# Altium PCB 2017_IHM.PcbDoc (part 1 of 2) (continued)
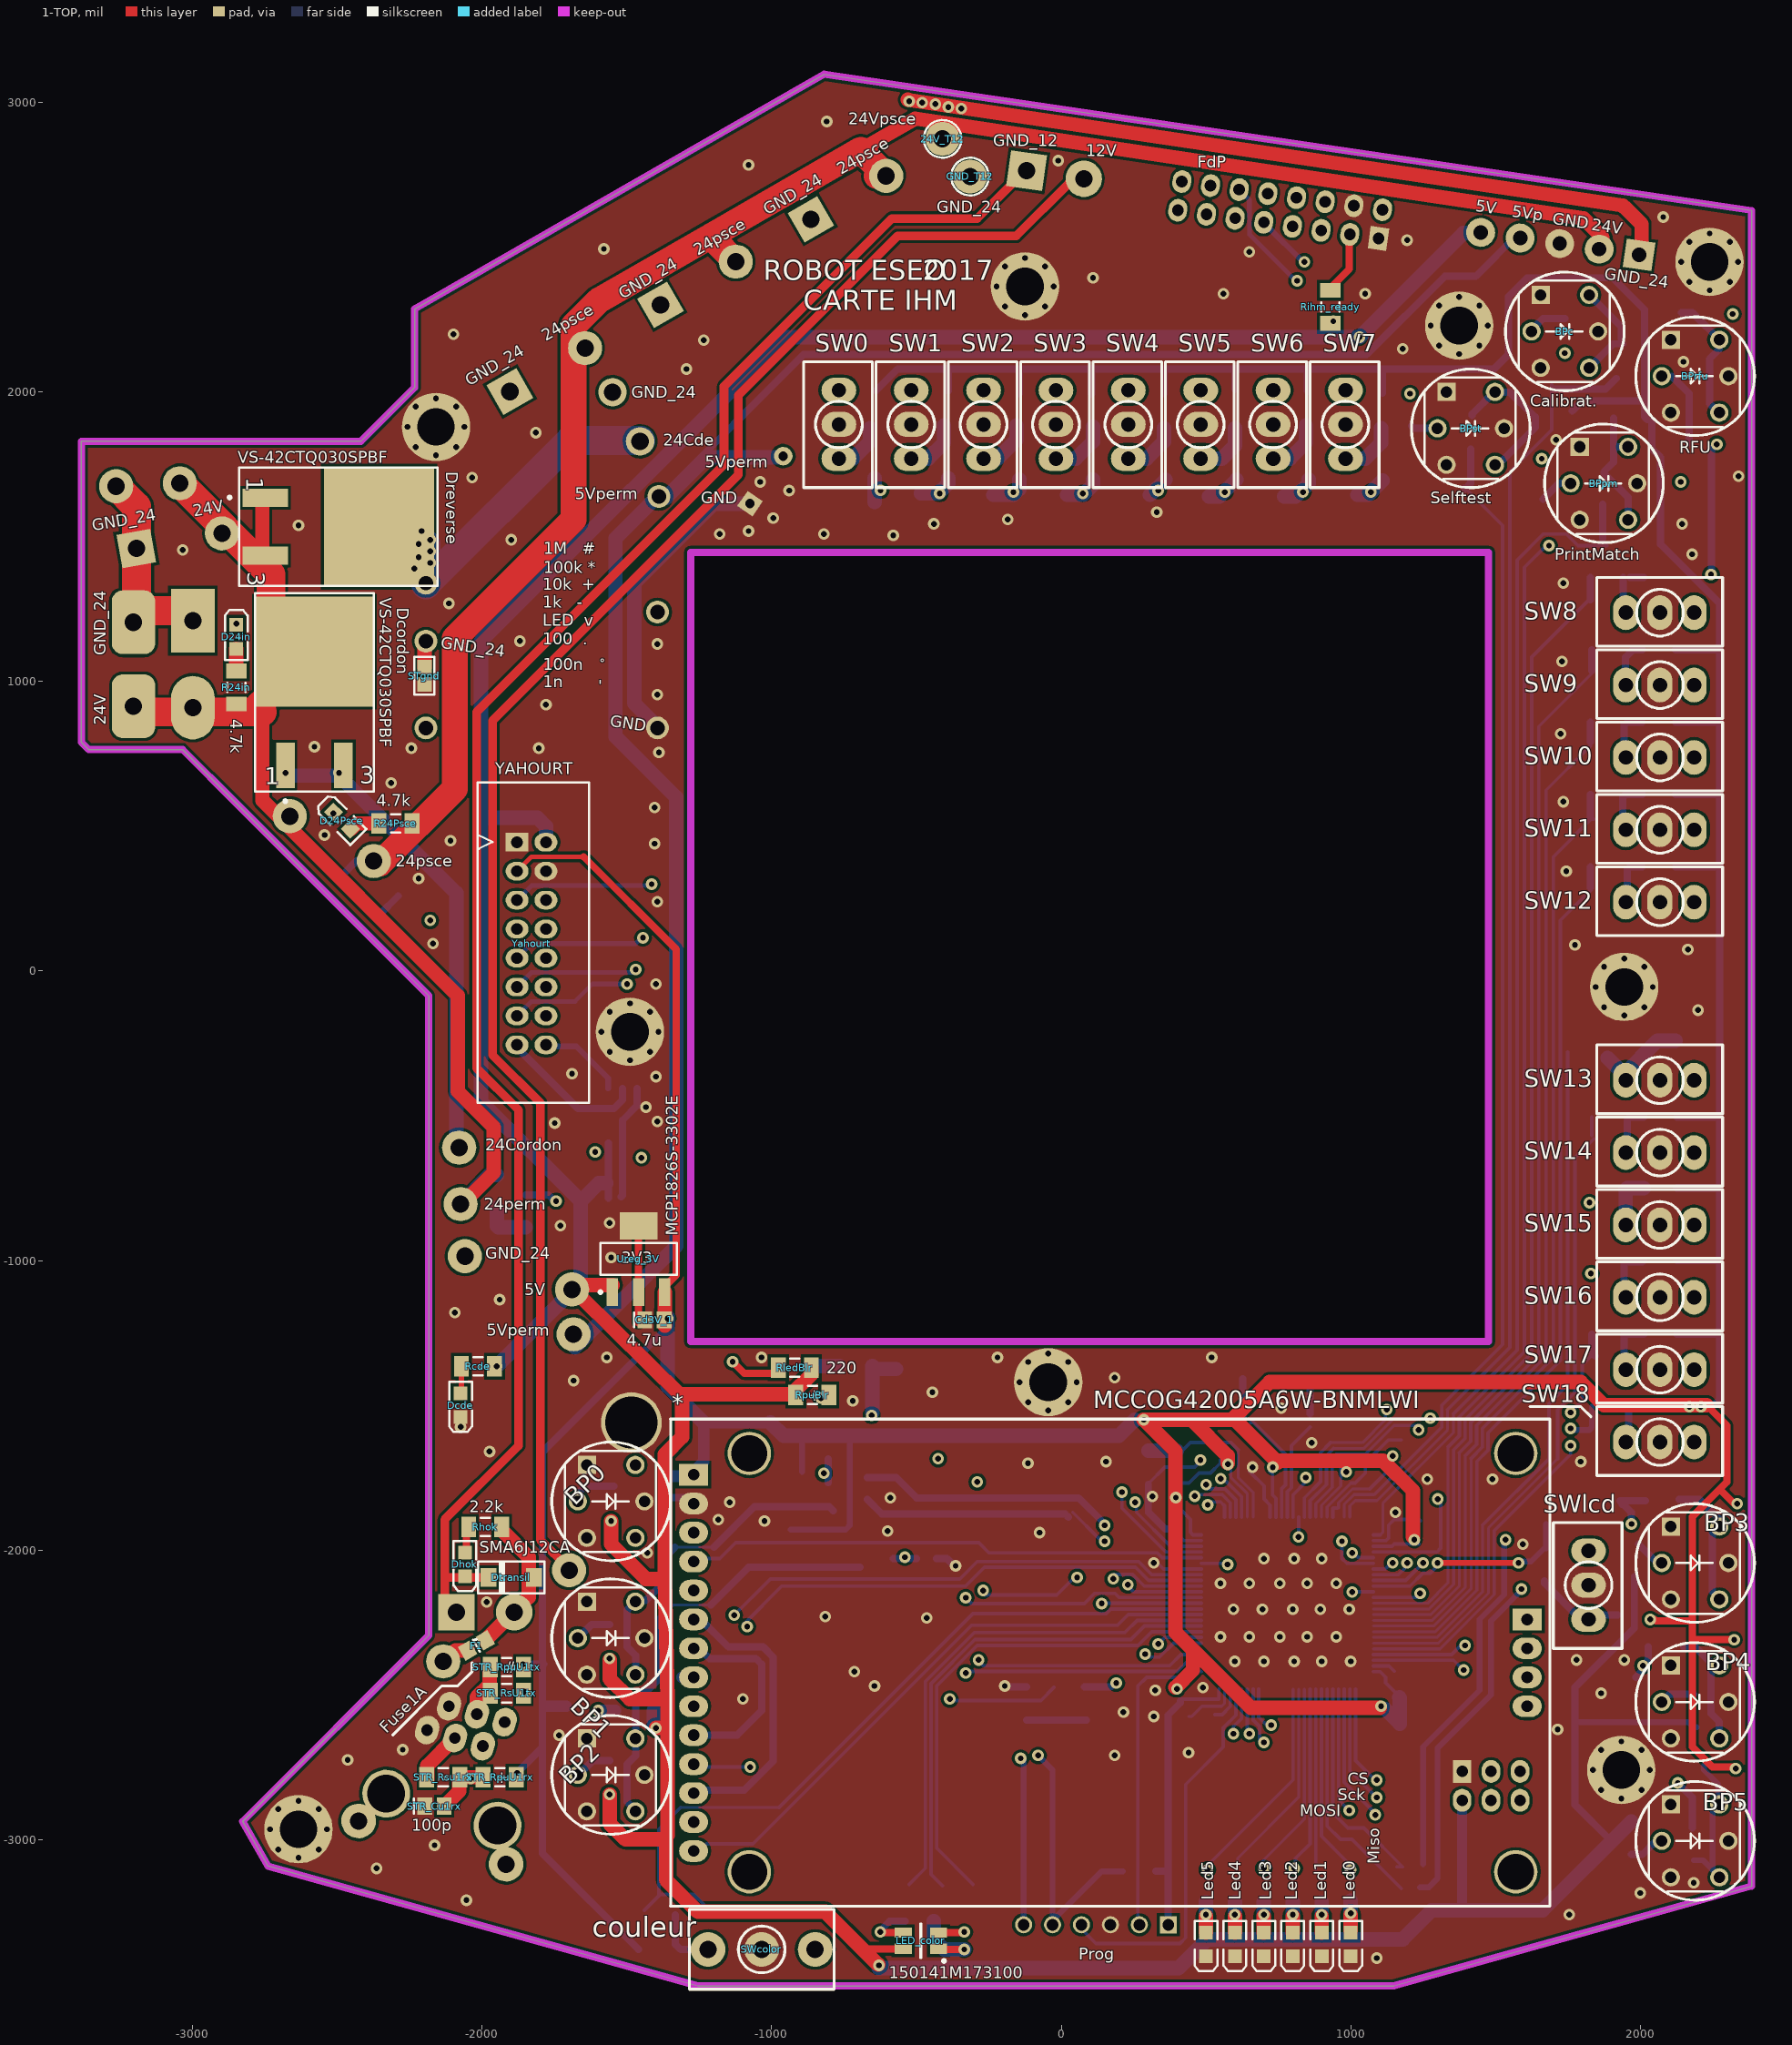
[diagram p0: 1-TOP view]
## Footprints (in the part's own frame and the unit in brackets; to place one, negate y for a bottom-side part, rotate by r counter-clockwise, add the part's x,y. Pads: shape width x height; smd on the part's side, far side on the other; paste and mask are expansions set on the pad)
2.4_TFT_TOUCH [mil]
  round 150 hole 125: 0(272.44,118.11) 0(272.44,1563.78) 0(2920.47,118.11) 0(2920.47,1563.78)
  rect 100x75 hole 40: 1(80,1490) 18(2959.84,990)
  oval 100x75 hole 40: 2(80,1390) 3(80,1290) 4(80,1190) 5(80,1090) 6(80,990) 7(80,890) 8(80,790) 9(80,690) 10(80,590) 11(80,490) 12(80,390) 13(80,290) 14(80,190) 15(2959.84,690) 16(2959.84,790) 17(2959.84,890)
  silkscreen extent 0,-1 3039,1682, body extent 0,-1 3039,1681, height 397
3528 [mm] "Chip LED, 4-Leads, Body 2.8x3.5mm (max), Pitch 1.42mm, IPC Medium Density"
  rect 1.5x0.9 smd: 1(1.55,0.708) 2(1.55,-0.71) 3(-1.55,0.708) 4(-1.55,-0.708)
  silkscreen extent -2.16,-1.5 0.03,1.9, body extent -2.36,-2.22 2.37,2.22, height 1.87
BORNIER2 [mm] "Connector; Header; 2 Position; screw terminal blocks, Pin Spacing=5.08mm"
  rect 3.2x3.2 hole 1.524: 1(0,0)
  round 3.2 hole 1.524: 2(5.08,0)
  silkscreen extent -2.54,-3.81 7.62,3.81, body extent -4.75,-6.48 9.78,5.48, height 12
BORNIER2_FEM_COUDE#1 [mm] "Connector; Header; 2 Position; Right Angle; Female; Pin Spacing=5.08mm Green"
  rect 3x3 hole 1.524: 1(0,0)
  round 3 hole 1.524: 2(7.62,0)
  silkscreen extent -3.56,-10.03 11.18,2.03, body extent -3.78,-19.88 11.46,1.96, height 15.2
BORNIER2_FEM_COUDE#2 [mm] "Connector; Header; 2 Position; Right Angle; Female; Pin Spacing=5.08mm Green"
  rect 5.588x3.81 hole 1.524: 1(7.62,0)
  oval 5.588x3.81 hole 1.524: 2(0,0)
  silkscreen extent -3.58,-9.25 11.18,2.03
BORNIER2_HORIZ [mm] "Connector; Header; 2 Position; screw terminal blocks, Pin Spacing=5.08mm"
  rect 3.2x3.2 hole 1.524: 1(5.08,0)
  round 3.2 hole 1.524: 2(0,0)
  silkscreen extent -3.48,-2.01 8.61,9.98, body extent -3.54,-1.99 8.62,19.95, height 15.15
BORNIER_5V_3.5MM_femelle_0 [mm]
  rect 2.54x2.54 hole 1.27: 1(-0.025,0)
  round 2.54 hole 1.27: 2(3.5,0) 3(7,0) 4(10.5,0) 5(14,0)
  silkscreen extent -2.31,-2.82 16.31,4.42, body extent -2.31,-5.82 16.29,5.28, height 18.4
C0805_N [mm] "Chip Capacitor, Body 2.0x1.3mm, IPC Medium Density"
  rect 1.3x1.5 smd: 1(-0.85,0) 2(0.85,0)
  silkscreen extent -1.8,-0.65 -1.8,0.65, body extent -0.99,-0.63 1.01,0.63, height 0.8
CONDENSATEUR_POLARISE_ELECTROLYTIQUE_RADIAL_5.08/8.9 [mil] "CONDENSATEUR_POLARISE_ELECTROLYTIQUE_RADIAL ; DIAMETRE : 8.9mm ; ESPACEMENT BROCHES : 5.08mm"
  rect 64x64 hole 32: 1(0,0)
  round 64 hole 32: 2(200,0)
  silkscreen extent -93,-190 294,197, body extent -93,-188 291,196, height 485
"D2Pak (123)" [mm] "D2-PAK; 3 Leads (1 Cropped); Body 15.2 (inc. leads) x 10.9 mm (LxW max)"
  rect 1.61x4 smd: 1(0,0) 3(5.08,0)
  rect 10.49x9.68 smd: 2(2.54,10)
  silkscreen extent -2.67,-3.25 7.75,15.11, body extent -2.66,-1.8 7.74,14.05, height 4.6
DO214AC [mm] "Diode"
  rect 1.4x1.64 smd: 1(-2.015,0) 2(2.015,0)
  silkscreen extent -2.92,-1.4 2.92,1.4, body extent -2.74,-1.4 2.74,1.4, height 2.27
"Goutte Strap_2 Pads_Clearance 0.254mm" [mil] "Goutte Strap_2 Pads_Clearance 0.254mm"
  rect 50x50 smd mask+7.87: 1(0,0) 2(60,0)
  silkscreen extent -35,-35 95,35
HC49/4H_SMX [mm] "Quartz Crystal, SM; Body 13.4 (inc. leads) x 4.9 mm (LxW max)"
  rect 5.5x2 smd: 1(-4.75,0) 2(4.75,0)
  silkscreen extent -5.7,-2.45 5.7,2.45, body extent -6.7,-2.45 6.7,2.45, height 5.08
HDR1X6 [mm] "Connector; Header; 6 Position"
  rect 1.5x1.5 hole 1.016: 1(0,0)
  round 1.5 hole 1.016: 2(2.54,0) 3(5.08,0) 4(7.62,0) 5(10.16,0) 6(12.7,0)
  silkscreen extent -1.27,-1.27 13.97,1.27
HE10/6_M_D_BP [mm] "HE10 ; 6 CONTACTS ; MALE ;  DROIT; BAS PROFIL ; ESPACEMENTS BROCHES = 2.54 mm"
  rect 1.63x2 hole 1: 1(0,-2.54)
  oval 1.63x2 hole 1: 2(0,0) 3(2.54,-2.54) 4(2.54,0) 5(5.08,-2.54) 6(5.08,0)
  silkscreen extent -5.33,-5.94 10.36,3.88, body extent -5.13,-5.76 10.11,3.69, height 9.1
"HE10/16_M_D_B P" [mm] "HE10 ; 16 CONTACTS ; MALE ;  DROIT; BAS PROFIL ; ESPACEMENTS BROCHES = 2.54 mm"
  rect 1.63x2 hole 1.016: 1(0,-2.54)
  oval 1.63x2 hole 1.016: 2(0,0) 3(2.54,-2.54) 4(2.54,0) 5(5.08,-2.54) 6(5.08,0) 7(7.62,-2.54) 8(7.62,0) 9(10.16,-2.54) 10(10.16,0) 11(12.7,-2.54) 12(12.7,0) 13(15.24,-2.54) 14(15.24,0) 15(17.78,-2.54) 16(17.78,0)
  silkscreen extent -5.26,-6 22.86,3.78, body extent -6.31,-9.53 23.96,7.15, height 8.8
LED_0805 [mm] "SM LED; 2 Flat Leads"
  rect 1.2x1.2 smd: 1(-1.05,0) 2(1.05,0)
  silkscreen extent -2.05,-1 2.35,1, body extent -1.05,-0.64 1.06,0.64, height 1.2
M3x6mm [mm] "Vis M3 X 6mm _TORX_Tête 6mm"
  round 0.8 hole 0.508: 1(-2.5,0) 1(-1.768,-1.768) 1(-1.768,1.768) 1(0,-2.5) 1(0,2.5) 1(1.768,-1.768) 1(1.768,1.768) 1(2.5,0)
  round 6 hole 3.302: 1(0,0)
  silkscreen extent -3.29,-3.28 3.29,3.28, body extent -2.84,-2.85 2.86,2.85, height 1.67
PAD_CMS_5.08x2.54 [mil] "Pad pour souder un fil"
  oval 200x100 smd paste+0.2: 1(0,0)
  silkscreen extent -108,-59 109,59, body extent -85,-30 84,30, height 10
"Point Test_D3_P1.6mm"#1 [mil] "Test point for PCB_Hole 1.6mm"
  round 118.11 hole 60: 1(0,-5)
  silkscreen extent -65,-65 65,65
"Point Test_D3_P1.6mm"#2 [mil] "Test point for PCB_Hole 1.6mm"
  round 118.11 hole 60: 1(0,0)
  silkscreen extent -65,-65 65,65
PUSHBUTTON_LED [mm]
  rect 1.6x1.6 hole 1: 1(-2.125,3.2)
  round 1.6 hole 1: 2(2.125,3.2) 3(-2.125,-3.2) 4(2.125,-3.2) 5(-2.921,0) 6(2.921,0)
  silkscreen extent -5.2,-5.21 5.21,5.21, body extent -5,-5 5,5, height 10.02
R0805_N [mm] "Chip Resistor, Body 2.0x1.3mm, IPC Medium Density"
  rect 1.2x1.4 smd: 1(-0.9,0) 2(0.9,0)
  silkscreen extent 0,-0.6 0,0.6, body extent -1.08,-0.7 1.08,0.7, height 0.65
R1206_N [mm] "Chip Resistor, Body 3.2x1.6mm, IPC Medium Density"
  rect 1.3x1.8 smd: 1(-1.45,0) 2(1.45,0)
  silkscreen extent -0.4,-0.8 0.4,0.8, body extent -1.68,-0.87 1.68,0.87, height 0.71
RESISTANCE_5W [mm] "RESISTANCE 5W ; DIAMETRE : 8.5mm ; LONGUEUR : 26mm ; PAS : 2mm"
  round 2.5 hole 1.524: 1(-0.02,-2.505) 2(-0.09,2.441)
  silkscreen extent 1.77,-4.7 33.4,4.5, body extent -1.05,-15.99 34.27,15.79, height 9.35
"RJ11_6/6 - Wurth Half Shielded Tab Down WR-MJ" [mil] "Connector; RJ11; 6P/6C; 615 006 143 421"
  oval 100x78.74 hole 40: 1(0,-200) 2(100,-150.39) 3(0,-100) 4(100,-50) 5(0,0) 6(100,50)
  round 165.35 hole 130: FIX1(350,125.2) FIX2(350,-274.8)
  round 120 hole 60: FIX1(467,191) FIX2(470,-340)
  silkscreen extent -59,-335 668,185, body extent -54,-384 666,236, height 510
SO8_N [mm] "SOIC, 8-Leads, Body 4.9x3.9mm, Pitch 1.27mm, IPC Medium Density"
  oval 2.2x0.6 smd: 1(-2.4,1.905) 2(-2.4,0.635) 3(-2.4,-0.635) 4(-2.4,-1.905) 5(2.4,-1.905) 6(2.4,-0.635) 7(2.4,0.635) 8(2.4,1.905)
  silkscreen extent -2.52,-2.5 0.9,2.88, body extent -2,-2.5 2,2.5, height 1.75
SOT223-4N [mm] "SOT223/SC73, 4-Leads, Body 6.5x3.5mm, Pitch 2.3mm, Lead Span 7mm, IPC Medium Density"
  rect 2.4x1 smd: 1(-2.9,2.3) 2(-2.9,0) 3(-2.9,-2.3)
  rect 2.4x3.3 smd: 4(2.9,0)
  silkscreen extent -3.02,-3.35 1.4,3.47, body extent -3.39,-3.35 3.5,3.35, height 1.8
STM-LQFP100_N [mm] "Thin QFP, 100-Leads, Body 14x14mm, Pitch 0.5mm, IPC Medium Density"
  oval 1.8x0.3 smd: 1(-7.55,6) 2(-7.55,5.5) 3(-7.55,5) 4(-7.55,4.5) 5(-7.55,4) 6(-7.55,3.5) 7(-7.55,3) 8(-7.55,2.5) 9(-7.55,2) 10(-7.55,1.5) 11(-7.55,1) 12(-7.55,0.5) 13(-7.55,0) 14(-7.55,-0.5) 15(-7.55,-1) 16(-7.55,-1.5) 17(-7.55,-2) 18(-7.55,-2.5) 19(-7.55,-3) 20(-7.55,-3.5) 21(-7.55,-4) 22(-7.55,-4.5) 23(-7.55,-5) 24(-7.55,-5.5) 25(-7.55,-6) 51(7.55,-6) 52(7.55,-5.5) 53(7.55,-5) 54(7.55,-4.5) 55(7.55,-4) 56(7.55,-3.5) 57(7.55,-3) 58(7.55,-2.5) 59(7.55,-2) 60(7.55,-1.5) 61(7.55,-1) 62(7.55,-0.5) 63(7.55,0) 64(7.55,0.5) 65(7.55,1) 66(7.55,1.5) 67(7.55,2) 68(7.55,2.5) 69(7.55,3) 70(7.55,3.5) 71(7.55,4) 72(7.55,4.5) 73(7.55,5) 74(7.55,5.5) 75(7.55,6)
  oval 0.3x1.8 smd: 26(-6,-7.55) 27(-5.5,-7.55) 28(-5,-7.55) 29(-4.5,-7.55) 30(-4,-7.55) 31(-3.5,-7.55) 32(-3,-7.55) 33(-2.5,-7.55) 34(-2,-7.55) 35(-1.5,-7.55) 36(-1,-7.55) 37(-0.5,-7.55) 38(0,-7.55) 39(0.5,-7.55) 40(1,-7.55) 41(1.5,-7.55) 42(2,-7.55) 43(2.5,-7.55) 44(3,-7.55) 45(3.5,-7.55) 46(4,-7.55) 47(4.5,-7.55) 48(5,-7.55) 49(5.5,-7.55) 50(6,-7.55) 76(6,7.55) 77(5.5,7.55) 78(5,7.55) 79(4.5,7.55) 80(4,7.55) 81(3.5,7.55) 82(3,7.55) 83(2.5,7.55) 84(2,7.55) 85(1.5,7.55) 86(1,7.55) 87(0.5,7.55) 88(0,7.55) 89(-0.5,7.55) 90(-1,7.55) 91(-1.5,7.55) 92(-2,7.55) 93(-2.5,7.55) 94(-3,7.55) 95(-3.5,7.55) 96(-4,7.55) 97(-4.5,7.55) 98(-5,7.55) 99(-5.5,7.55) 100(-6,7.55)
  silkscreen extent -7.67,-6.25 6.25,6.82, body extent -7,-7 7,7, height 1.6
"SW_UNIPOL_DROIT - APEM 18235" [mil]
  round 120 hole 60: COMMON1(140,250) NC1(140,435.04) NO1(140,64.96)
  silkscreen extent 2,0 278,500, body extent -10,4 285,496, height 449
"SW_UNIPOL_DROIT - Ebay - SPDT - 11x6x5" [mm] "SW_UNIPOL_DROIT - Ebay - SPDT - 11x6x5"
  oval 3.048x2.2 hole 1.27: COMMON1(3,5.5) NC1(3,8.5) NO1(3,2.5)
  silkscreen extent 0.06,0 6.1,11.05, body extent 0.13,-0.04 6.13,10.96, height 8
TRACO_THN20 [mm] "THN20"
  round 2 hole 1.27: 1(2.54,-15.24) 2(2.54,-10.16) 3(22.987,-22.86) 4(22.86,-12.7) 5(22.86,-2.54) 6(2.54,-2.54)
  silkscreen extent 0,-25.4 25.4,0, body extent -0.02,-25.41 25.38,-0.01, height 9.9

## Part data
12V_FdP 12V_Hokuyo: "Terminal blocks, 2 pins, pitch=5mm"
12V_in 12V_out 24V_T12 ARU_in ARU_out BAT_24V BAT_GND Cde_in Cde_out CORDON_24V CORDON_CHARGE CORDON_GND GND_T12: library part "Point Test", "Point test"
Batterie Chargeur J5_24V J11_24V J14_24V: library part BORNIER2, "Terminal blocks, 2 pins, pitch=5mm"
biroute biroute_gnd birouteLed V1 V2 V3 V4 V5 V6 V7 V8 V9: library part "Vis M3 X 6mm _TORX_Tête 6mm", "Vis M3 X 6mm _TORX_Tête 6mm"
C46 C47 C49 C50 Cd0 Cd1 Cd2 Cd3 Cd4 Cd5 Cd6 Cd7 Cd8 Cd9 Cdlcd CfBir CfBP0 CfBP1 CfBP2 CfBP3 CfBP4 CfBP5 CfBPc CfBPpm CfBPrfu CfBPst CfSW0 CfSW1 CfSW2 CfSW3 CfSW4 CfSW5 CfSW6 CfSW7 CfSW8 CfSW9 CfSW10 CfSW11 CfSW12 CfSW13 CfSW14 CfSW15 CfSW16 CfSW17 CfSW18 CfSWcolor CfSWlcd Cmes12 Cmes24 Cmes24p Cnrst STR_CdCan1 STR_CdCan2 STR_Cu1rx: library part Condensateur, "Capacitor"
Cd3V_1: library part Capacitor, "Capacitor"
Cd24VCDE CdPerm: library part "Condensateur Polarise Traversant", "Polarized Capacitor"
D24in D24Psce Dcde Dhok: "Typical LED"
Dcordon Dreverse: library part "Diode Shottky double BAT54C", "DIODE SCHOTTKY DOUBLE"
Dtransil: library part "Diode 1N4001", "1 Amp General Purpose Rectifier"
F1: library part Fusible_SMD, "Fuse"
Led0 Led1 Led2 Led3 Led4 Led5: library part LED, "Typical LED"
LED_color: library part "WL-SFTW 3528 150141M173100", "SMD Full-Color Top LED, WL-SFTW, Red & Green & Blue"
LEDs: "EMBASE HE10/6 MALE DROIT BAS PROFIL"
P1: library part "Header 6", "Header, 6-Pin"
R24in R24Psce R_ledRetro3 R_ledRetro5 RBlue Rcde RGreen Rhok Rihm_ready Rled0 Rled1 Rled2 Rled3 Rled4 Rled5 RledBir Rmes12+ Rmes12- Rmes24+ Rmes24- Rmes24p+ Rmes24p- Rnrst RpuBir RpuBP0 RpuBP1 RpuBP2 RpuBP3 RpuBP4 RpuBP5 RpuBPc RpuBPpm RpuBPrfu RpuBPst RpuSW0 RpuSW1 RpuSW2 RpuSW3 RpuSW4 RpuSW5 RpuSW6 RpuSW7 RpuSW8 RpuSW9 RpuSW10 RpuSW11 RpuSW12 RpuSW13 RpuSW14 RpuSW15 RpuSW16 RpuSW17 RpuSW18 RpuSWcolor RpuSWlcd Rred RsBir RsBP0 RsBP1 RsBP2 RsBP3 RsBP4 RsBP5 RsBPc RsBPpm RsBPrfu RsBPst RsLedBP0 RsLedBP1 RsLedBP2 RsLedBP3 RsLedBP4 RsLedBP5 RsLedBPc RsLedBPpm RsLedBPrfu RsLedBPst Rsme12 Rsme24 Rsme24p RsSW0 RsSW1 RsSW2 RsSW3 RsSW4 RsSW5 RsSW6 RsSW7 RsSW8 RsSW9 RsSW10 RsSW11 RsSW12 RsSW13 RsSW14 RsSW15 RsSW16 RsSW17 RsSW18 RsSWcolor RsSWlcd STR_RdwnWAmI STR_RpuU1rx STR_RpuU1tx STR_Rsu1rx STR_RsU1tx STR_RupWAmI: library part Resistor, "Resistor"
STM32: "ARM Cortex-M4 32-bit MCU+FPU, 210 DMIPS, 1024 kB Flash, 192 kB Internal RAM, 82 I/Os, 100-pin LQFP, -40 to 85 degC, Tray"
STR_UART1: "Right Angle, Standard Profile, Offset Latch DECconnect, Flangeless PCB Jack"
STR_Ucan: "High-Speed CAN Transceiver, 8-Pin SOIC, Industrial Temperature"
SW0 SW1 SW2 SW3 SW4 SW5 SW6 SW7 SW8 SW9 SW10 SW11 SW12 SW13 SW14 SW15 SW16 SW17 SW18 SWcolor SWlcd: library part "SW SPDT- APEM Série 523x", "Switch unipolaire a levier"
TR_5V: "Traco 20W 24V to 5V*4A"
Ureg_3V: "1000 mA, Low Voltage, Low Quiescent Current LDO Regulator, 3-Pin SOT-223, Extended Temperature"
Y1: library part Quartz, "Crystal Oscillator"

## Free pads (board coordinates)
  rrect50% 150x220 hole 60: 0(-3205,915) 0(-3205,1205)
  round 210 hole 180: 0(-1485,-1560)

## Via types
v1: diameter 40, hole 20, 1-TOP to 4-BOT, 303 vias

## Nets (pads, with @x,y where several pads share a name; then routed paths per layer and width w, separated by ;. In a path a pad name is that pad's centre, name@x,y a point inside that pad or via, vN(x,y) a via of type N, cw(c..) or ccw(c..) an arc to the next point about the centre after c; other vN are vias at no path point)
3V3: *.1 Cd0.2 Cd1.2 Cd2.2 Cd3.2 Cd3V_1.2 Cd4.2 Cd5.2 Cd6.2 Cd7.2 Cd8.2 Cd9.2 Cdlcd.1 P1.1 R_ledRetro3.1 Rnrst.2 RpuBP0.2 RpuBP1.2 RpuBP2.2 RpuBP3.2 RpuBP4.2 RpuBP5.2 RpuBPc.2 RpuBPpm.2 RpuBPrfu.2 RpuBPst.2 RpuSW0.2 RpuSW1.2 RpuSW2.2 RpuSW3.2 RpuSW4.2 RpuSW5.2 RpuSW6.2 RpuSW7.2 RpuSW8.2 RpuSW9.2 RpuSW10.2 RpuSW11.2 RpuSW12.2 RpuSW13.2 RpuSW14.2 RpuSW15.2 RpuSW16.2 RpuSW17.2 RpuSW18.2 RpuSWcolor.2 RpuSWlcd.2 STM32.6 STM32.11 STM32.19 STM32.21 STM32.22 STM32.28 STM32.50 STM32.75 STM32.100 STR_RpuU1rx.2 STR_RpuU1tx.2 STR_RupWAmI.2 Ureg_3V.3 Yahourt.3 | length 25961.4
  1-TOP w16: Yahourt.3@-1880,345 -1830,395 -1650,395
  1-TOP w25: -1650,395 -1330,75 -1330,-1050 Ureg_3V.3@-1365,-1085 ; v1(2035,-2240) 2050,-2240 2055,-2245 2180,-2245 ; 2230,-1500 2300,-1570 2300,-1765 2275,-1790 ; v1(2325,-2310) 2180,-2310 ; v1@2330,-2750 2250,-2750 2180,-2680 2180,-2310 ; v1(2335,-1840) 2325,-1840 2275,-1790 ; 2180,-2310 2180,-1885 2275,-1790
  1-TOP w50: Cd3V_1.2@-1369.45,-1225.55 Ureg_3V.3@-1369.45,-1109.17 ; v1@395,-2475 455,-2415 455,-2345 ; v1@575,-1700 575,-1675 450,-1550 ; 747.5,-1697.5 600,-1550 590,-1550 ; 753,-1692 1112,-1692 1215,-1795 v1@1215,-1955 ; v1@1100,-2545 655,-2545 455,-2345 ; 2230,-1500 1875,-1500 1795,-1420 720,-1420 590,-1550 ; 450,-1550 v1(285,-1550) 395,-1660 395,-2285 455,-2345 ; 450,-1550 590,-1550
  4-BOT w10: v1@585.98,-1709.02 585.98,-1749.02 643.19,-1806.22 STM32.6@643.19,-1886.77 ; STM32.19@899.09,-1886.77 899.09,-1845.91 965.98,-1779.02 Cd8.2@965.98,-1714.02 ; STM32.22@958.15,-1855 958.15,-1836.85 1005.98,-1789.02 1065.98,-1789.02
  4-BOT w12: Cd0.2@405.98,-1864.02 415.98,-1864.02 445.98,-1894.02 445.98,-1939.02 454.76,-1947.8 STM32.100@483.74,-1947.8 ; STR_RupWAmI.2@405.98,-1769.02 440.98,-1769.02 475.98,-1734.02 515.98,-1734.02 549.45,-1700.55 Cd6.2@549.45,-1689.02 ; Cd2.2@408.46,-2515 544.53,-2515 544.76,-2515.24 STM32.75@544.76,-2481.26 ; Cd7.2@720.98,-1729.02 730,-1738.03 730,-1810 741.61,-1821.61 STM32.11@741.61,-1886.77 ; STM32.21@938.46,-1886.77 938.46,-1856.99 940.46,-1855 STM32.22@955,-1855 ; 1065.98,-1789.02 1140.98,-1714.02 Cd5.2@1140.98,-1694.02 ; STM32.50@1078.23,-2420.24 1102.2,-2420.24 1120.98,-2439.02 1120.98,-2459.02 1165.98,-2504.02 Cd1.2@1165.98,-2509.02 ; STM32.28@1078.23,-1987.17 1142.83,-1987.17 1150.98,-1979.02 Cd9.2@1235.98,-1979.02
  4-BOT w20: RpuBP2.2@-935,-1930 -745,-1930 -730,-1915 -730,-1610 ; RpuBP1.2@-895,-1730 -895,-1610
  4-BOT w25: v1(-1880,-2770) -1792,-2682 -1792,-3048 RpuSWcolor.2@-1460,-3380 ; v1@-1865,-2395 -1787,-2395 ; -1792,-2678 -1792,-1662 -1360,-1230 ; RpuSW0.2@-640,2005 -565,2080 -390,2080 ; RpuSW1.2@-390,2005 -390,2080 ; RpuSW2.2@-145,1995 -145,2080 ; RpuSW3.2@105,1995 105,2080 ; Rnrst.2@327.09,-3110 360,-3110 ; RpuSW4.2@355,1995 355,2080 ; P1.1@370,-3285 370,-2570 412.5,-2527.5 Cd2.2@412.5,-2522.5 ; v1(395.98,-1819.02) STR_RupWAmI.2@395.98,-1771.1 ; RpuSW5.2@600,2010 600,2080 ; RpuSW6.2@850,2005 850,2080 ; RpuSW7.2@1110,1997.09 1110,2080 ; RpuBPst.2@1765,1935 1800,1970 2015,1970 ; RpuBPpm.2@2025,1905 2015,1915 2015,1970 ; RpuBPpm.2@2040,1905 2040,1805 2070,1775 2070,1475 2275,1270 2275,-1480 2250,-1505 RpuSW18.2@2140,-1505 ; RpuSW12.2@2122.09,360 2270,360 ; RpuSW11.2@2122.09,610 2275,610 ; RpuSW10.2@2122.09,860 2270,860 ; RpuSW9.2@2122.09,1110 2270,1110 ; RpuSW17.2@2127.09,-1255 2275,-1255 ; RpuSW16.2@2127.09,-1000 2270,-1000 ; RpuSW15.2@2127.09,-750 2270,-750 ; RpuSW14.2@2127.09,-505 2270,-505 ; -390,2080 -145,2080 ; -145,2080 105,2080 ; 105,2080 355,2080 ; 355,2080 600,2080 ; 600,2080 850,2080 ; 850,2080 1495,2080 1545,2130 1545,2330 1610,2395 1905,2395 2015,2285 2015,1970
  4-BOT w40: -1780,-2540 R_ledRetro3.1@-1710,-2540 ; Cdlcd.1@-1360,-1745 -1285,-1745 -1235,-1695 -1235,-1560 -1005,-1560
  4-BOT w50: v1@-1360,-1195 -1360,-1435 -1235,-1560 ; -1005,-1560 -960,-1605 200,-1605 255,-1550 ; v1@1119.25,-2549.25 1170,-2600 1170,-2511.5 Cd1.2@1167.52,-2509.02
  other v1: 2330,-2755 1105,-2540 400,-2480 -1860,-2395 1220,-1965 985,-1730 730.98,-1714.02 575.98,-1704.02 1145,-1675 2170,-1505 2210,-1505 -1360,-1200
5V: Cde_out.1 FdP_pwr.5 LED_color.1 LEDs.2 R_ledRetro5.1 Rcde.1 RledBir.2 RpuBir.2 RsLedBP0.2 RsLedBP1.2 RsLedBP2.2 RsLedBP3.2 RsLedBP4.2 RsLedBP5.2 RsLedBPc.2 RsLedBPpm.2 RsLedBPrfu.2 RsLedBPst.2 STR_CdCan1.2 STR_CdCan2.2 STR_Ucan.3 Ureg_3V.1 Yahourt.2 | length 18700.9
  1-TOP w25: -690,-3370 -682.15,-3377.85 LED_color.1@-546.02,-3377.85
  1-TOP w50: Cde_out.1@-1685,-1105 -1665,-1085 Ureg_3V.1@-1550,-1085 ; Cde_out.1@-1680,-1125 -1660,-1125 -1310,-1470 ; v1(-1560,-2845) -1560,-2945 -1505,-3000 -1375,-3000 ; v1@-1560,-2380 -1560,-2445 -1490,-2515 -1360,-2515 ; v1(-1555,-1900) -1555,-1980 -1435,-2100 -1370,-2100 ; v1(-1400,-2615) -1365,-2615 ; RpuBir.2@-930,-1460 -862.91,-1392.91 RledBir.2@-862.91,-1370 ; RpuBir.2@-912.91,-1462.09 -1315,-1462.09 -1310,-1470 ; v1@-632.5,-3432.5 -815,-3250 -1255,-3250 -1365,-3140 -1365,-3000 -1375,-3000 ; -1375,-3000 -1360,-2985 -1360,-2515 ; -1370,-2100 -1360,-2515 ; -1370,-2100 -1370,-1670 -1310,-1610 -1310,-1470
  2-SIGNAL w25: v1(1030,2190) 1150,2070 1215,2070 ; v1@1210,1995 1215,2000 1215,2070 ; v1(1660,1770) 1660,1985 ; v1@1740,2130 1735,2125 1735,1985 ; v1@2140,1695 2140,1710 1865,1985 1735,1985 ; 1215,2070 1540,2070 1625,1985 1660,1985 ; 1660,1985 1735,1985
  4-BOT w20: 1775,-2595 2167.91,-2595 RsLedBP4.2@2185,-2612.09 RsLedBP4.2@2195,-2612.09
  4-BOT w25: STR_CdCan2.2@-1565,-785 STR_Ucan.3@-1565,-594.49 ; 1900,-3005 1775,-2880 1775,-2595 1775,-2475 1980,-2270 RsLedBP3.2@1980,-2092.09
  4-BOT w35: 1385,-3240 LEDs.2@1385,-2865
  4-BOT w50: v1(-1950,-1365) Cde_out.1@-1697.5,-1112.5 ; Yahourt.2@-1780,445 -1780,500 -1810,530 -2005,530 ; Cde_out.1@-1660,-1090 -1660,-795 ; -1572.5,-732.5 -1597.5,-732.5 -1660,-795 ; R_ledRetro5.1@-1407.91,-2555 -1407.91,-2607.09 v1(-1400,-2615) ; v1@-630,-3445 405,-3445 505,-3345 1180,-3345 1280,-3245 1662.91,-3245 RsLedBP5.2@1970,-2937.91 ; FdP_pwr.5@1450,2550 1390,2550 v1(1030,2190) -955,2190 -2005,1140 -2005,530 ; -2005,530 -2005,-450 -1660,-795
  other v1: -630,-3435 -1560,-2375 2140,1690 1205,1995 1740,2135
5V_STR: FdP.2
5VPERM: Cde_in.1 CdPerm.2 FdP_pwr.4 TR_5V.3 | length 7072.3
  1-TOP w25: FdP_pwr.4@1597.37,2532.63 FdP_pwr.4@1614.38,2532.63
  1-TOP w50: TR_5V.3@-1390,1635 TR_5V.3@-1380,1635
  4-BOT w25: TR_5V.3@-1390,1645 -1375,1645 -890,2130 1055,2130 1325,2400 1431.75,2400 FdP_pwr.4@1579.38,2547.63
  4-BOT w50: Cde_in.1@-1680,-1300 -1330,-950 -1330,600 -1540,810 -1540,1495 TR_5V.3@-1390,1645 ; TR_5V.3@-1365,1635 -1225,1775 CdPerm.2@-960,1775
12V: 12V_out.1 F1.1 | length 87.7
  1-TOP w50: 12V_out.1@-2125,-2380 -2092.72,-2347.72 F1.1@-2050.69,-2347.72
12VHOK: 12V_Hokuyo.2 Dtransil.2 F1.2 Rhok.1 Rmes12+.2 | length 2561.2
  1-TOP w50: F1.2@-1989.31,-2312.28 -1840,-2162.97 -1840,-2025 Rhok.1@-1930,-1935
  2-SIGNAL w10: -1335,-2190 -1030,-2190
  2-SIGNAL w12: 12V_Hokuyo.2@-1915,-2210 -1915,-2225 12V_Hokuyo.2@-1900,-2210 ; 12V_Hokuyo.2@-1895,-2215 -1883,-2227 -1412,-2227 -1375,-2190 -1335,-2190 ; -1030,-2190 -705,-2515 v1@-375,-2515
  4-BOT w12: v1@-380,-2520 -70,-2520 Rmes12+.2@-25,-2475
  other v1: -385,-2515
12VIN: 12V_FdP.2 12V_in.1 | length 6006.3
  1-TOP w30: 12V_in.1@-1700,-2065 -1800,-1965 -1800,-455 -1965,-290 -1965,865 -1115,1715 -1115,1990 -565,2540 -155,2540 25,2720 65,2720 12V_FdP.2@70,2725
24VCORDON: CORDON_24V.1 Dcordon.1 Dcordon.3 | length 1632.8
  4-BOT w50: v1@-2665,675 -2495,675 -2090,270 CORDON_24V.1@-2090,-620
  other v1: -2680,685 -2495,685
24VPERM: ARU_in.1 BAT_24V.1 Batterie.2 Chargeur.2 CORDON_CHARGE.1 Dcordon.2 Dreverse.1 Dreverse.3 pad.0@-3205,915 R24in.1 Rmes24+.2 | length 3830
  1-TOP w50: Dcordon.2@-2760,1250 -2760,895 -2760,590 -2085,-85 -2085,-415 -1960,-540 -1960,-695 CORDON_CHARGE.1@-2070,-805 ; Dreverse.3@-2760,1435 Dreverse.1@-2760,1635
  1-TOP w100: pad.0@-3215,895 -2760,895 ; BAT_24V.1@-3045,1685 -2730,1370 Dcordon.2@-2730,1250 ; Dcordon.2@-2770,915 Dcordon.2@-2762.09,922.91
  4-BOT w50: CORDON_CHARGE.1@-2075,-805 -1975,-705 Rmes24+.2@-1950,-705
24VPSCE: 24V_T12.1 ARU_out.1 FdP_pwr.2 J5_24V.2 J11_24V.2 J14_24V.2 R24Psce.1 Rmes24p+.2 | length 6353.5
  1-TOP w50: -691.93,2837.15 -504.83,2944.71 ; -505,2945 1805,2600 ; 1810,2595 1870,2535 FdP_pwr.2@1870,2500
  1-TOP w90: ARU_out.1@-2352.5,372.5 -2095,630 -2095,1150 -1685,1560 -1685,2230 -1600,2315 ; -1596.28,2317.23 -1209.09,2539.82 -691.93,2837.15 ; -1203.45,2530 J14_24V.2@-1124.43,2450.98 ; -687.82,2830 J5_24V.2@-604.9,2747.09 J5_24V.2@-637.09,2747.09
  4-BOT w25: Rmes24p+.2@-2480,335 -2435,380 ARU_out.1@-2375,380
CANH: FdP.15 STR_Ucan.7 Yahourt.15 | length 5026.9
  2-SIGNAL w16: Yahourt.15@-1875,-260 -1820,-315 -1750,-315 -1720,-285 -1720,-220 -1570,-70 -1570,1540 -590,2520 290,2520 FdP.15@410.64,2640.64
  4-BOT w25: Yahourt.15@-1890,-255 -1670,-475 -1550,-475 ; -1545,-475 -1515,-445 STR_Ucan.7@-1515,-405.51
CANL: FdP.16 STR_Ucan.6 Yahourt.16 | length 4688.6
  2-SIGNAL w16: Yahourt.16@-1780,-260 -1780,-240 -1600,-60 -1600,1543.94 -1275,1868.94 -1275,1870 -595,2550 230,2550 FdP.16@422.12,2742.12
  4-BOT w20: Yahourt.16@-1775,-260 -1675,-260 -1565,-370 STR_Ucan.6@-1565,-405.51
GND: *.2 biroute_gnd.1 BP0.1 BP0.3 BP0.6 BP1.1 BP1.3 BP1.6 BP2.1 BP2.3 BP2.6 BP3.1 BP3.3 BP3.6 BP4.1 BP4.3 BP4.6 BP5.1 BP5.3 BP5.6 BPc.1 BPc.3 BPc.6 BPpm.1 BPpm.3 BPpm.6 BPrfu.1 BPrfu.3 BPrfu.6 BPst.1 BPst.3 BPst.6 C46.1 C47.1 C49.1 C50.1 Cd0.1 Cd1.1 Cd2.1 Cd3.1 Cd3V_1.1 Cd4.1 Cd5.1 Cd6.1 Cd7.1 Cd8.1 Cd9.1 Cdlcd.2 CdPerm.1 CfBir.1 CfBP0.1 CfBP1.1 CfBP2.1 CfBP3.1 CfBP4.1 CfBP5.1 CfBPc.1 CfBPpm.1 CfBPrfu.1 CfBPst.1 CfSW0.1 CfSW1.1 CfSW2.1 CfSW3.1 CfSW4.1 CfSW5.1 CfSW6.1 CfSW7.1 CfSW8.1 CfSW9.1 CfSW10.1 CfSW11.1 CfSW12.1 CfSW13.1 CfSW14.1 CfSW15.1 CfSW16.1 CfSW17.1 CfSW18.1 CfSWcolor.1 CfSWlcd.1 Cmes12.1 Cmes24.1 Cmes24p.1 Cnrst.1 Dcde.2 FdP.1 FdP.4 FdP_pwr.3 Led0.2 Led1.2 Led2.2 Led3.2 Led4.2 Led5.2 LEDs.1 P1.3 pad.0@-1485,-1560 Rmes12-.1 Rmes24-.1 Rmes24p-.1 STgnd.2 STM32.10 STM32.20 STM32.27 STM32.74 STM32.94 STM32.99 STR_CdCan1.1 STR_CdCan2.1 STR_Cu1rx.1 STR_RdwnWAmI.1 STR_UART1.5 STR_UART1.6 STR_Ucan.2 STR_Ucan.8 SW0.COMMON1 SW1.COMMON1 SW2.COMMON1 SW3.COMMON1 SW4.COMMON1 SW5.COMMON1 SW6.COMMON1 SW7.COMMON1 SW8.COMMON1 SW9.COMMON1 SW10.COMMON1 SW11.COMMON1 SW12.COMMON1 SW13.COMMON1 SW14.COMMON1 SW15.COMMON1 SW16.COMMON1 SW17.COMMON1 SW18.COMMON1 SWcolor.COMMON1 SWlcd.COMMON1 TR_5V.5 Ureg_3V.2 Ureg_3V.4 V1.1 V2.1 V3.1 V4.1 V5.1 V6.1 V7.1 V8.1 V9.1 Yahourt.1 Yahourt.4 | length 3738.5
  1-TOP w25: Cd3V_1.1@-1460,-1215 Ureg_3V.2@-1460,-1109.17 Ureg_3V.4@-1460,-880.83
  4-BOT w10: C50.1@440,-2575 451.38,-2575 486.38,-2540 555,-2540 564.45,-2530.55 STM32.74@564.45,-2481.26 ; STM32.20@918.78,-1886.77 918.78,-1851.22 1000.98,-1769.02
  4-BOT w12: STR_RdwnWAmI.1@295.98,-1776.1 STR_RdwnWAmI.1@300.98,-1771.1 358.07,-1714.02 460.98,-1714.02 Cd6.1@470.98,-1704.02 ; v1@328.48,-2041.52 352.87,-2065.91 STM32.94@483.74,-2065.91 ; Cd0.1@395.98,-1939.02 424.45,-1967.48 STM32.99@483.74,-1967.48 ; Cd7.1@650.98,-1729.02 700.98,-1779.02 700.98,-1824.02 721.93,-1844.96 STM32.10@721.93,-1886.77 ; 1000.98,-1769.02 1015.98,-1769.02 1050.98,-1734.02 1050.98,-1709.02 1060.98,-1699.02 1060.98,-1689.02 1130,-1620 Cd5.1@1175,-1620 ; STM32.27@1078.23,-1967.48 1122.52,-1967.48 1130.98,-1959.02 1130.98,-1914.02 1150.98,-1894.02 1235.98,-1894.02 Cd9.1@1240.98,-1899.02
  4-BOT w25: STR_CdCan2.1@-1520,-780 -1515,-775 STR_Ucan.2@-1515,-594.49 -1515,-515 -1465,-465 STR_Ucan.8@-1465,-405.51 ; Cdlcd.2@-1375,-1818.46 -1301.54,-1818.46 *.2@-1275,-1845 ; CfBP2.1@-431.54,-2030 -395,-2030 v1@-365,-2060 ; v1@-192.09,-2472.91 Rmes12-.1@-120,-2472.91 ; STR_RdwnWAmI.1@300.98,-1774.02 300.98,-1869.02 359.45,-1927.48 Cd0.1@395.98,-1927.48
  4-BOT w50: TR_5V.5@-1395,845 -1475,925 -1475,1340 -1200,1615 CdPerm.1@-1065,1615
  other v1: 1090,-3410 1755,-3260 -2055,-3210 2000,-3185 2185,-3150 -2365,-3100 -2165,-3020 -2465,-2725 185,-2710 440,-2700 -2275,-2690 -1735,-2640 1715,-2620 320,-2575 215,-2560 -1100,-2515 1865,-2495 325,-2485 490,-2475 -645,-2470 -195,-2470 -715,-2420 600,-2385 700,-2385 805,-2385 900,-2385 1000,-2385 1780,-2380 1945,-2380 550,-2300 650,-2300 755,-2300 850,-2300 950,-2300 -465,-2235 -815,-2230 595,-2205 695,-2205 800,-2205 895,-2205 995,-2205 -1985,-2180 550,-2115 650,-2115 755,-2115 850,-2115 950,-2115 -365,-2055 320,-2045 700,-2030 805,-2030 900,-2030 -1430,-2010 1595,-1980 -75,-1940 -600,-1935 -1025,-1900 -1185,-1895 1155,-1870 -1145,-1835 -590,-1820 315,-1815 1265,-1755 1490,-1755 660.98,-1714.02 -115,-1700 155,-1695 1795,-1695 480.98,-1689.02 -1975,-1660 865,-1630 -2075,-1575 760,-1510 -720,-1485 -445,-1455 -1685,-1415 185,-1405 -1570,-1335 -1035,-1335 -220,-1335 520,-1335 -2095,-1180 -1940,-1135 -1555,-990 -1730,-880 -1560,-870 -1750,-525 -1395,-520 -1435,-470 -1400,-365 -1690,-355 2200,-135 -1400,-45 2165,75 1775,90 -2170,95 -1395,240 -2220,320 1745,345 -1405,440 -2110,450 -2545,470 -1405,565 1735,585 -2315,650 -1390,755 -2245,770 -1805,770 -2580,775 1725,820 -1780,920 -1395,955 1730,1070 -1395,1130 -1870,1140 -2115,1270 1735,1340 2180,1440 -3035,1455 -1900,1490 -580,1505 -1180,1510 -820,1510 -1080,1520 -2635,1540 -440,1545 2145,1545 -185,1560 -995,1565 330,1585 -940,1660 -1040,1690 -2035,1705 2340,1710 1710,1835 -1815,1860 -1295,2080 2150,2105 1180,2150 -1235,2180 -2100,2200 560,2340 1050,2340 110,2395 650,2485 -1580,2495 1195,2525 2080,2605 -1080,2785 -10,2800 -810,2935
GND_12: 12V_FdP.1 12V_Hokuyo.1 Dhok.2 Dtransil.1 | length 6224.4
  1-TOP w30: 12V_Hokuyo.1@-2130,-2210 -2130,-1895 -1875,-1640 -1875,-480 -2020,-335 -2020,895 -1165,1750 -1165,2020 -585,2600 -290,2600 -153.05,2736.95 12V_FdP.1@-133.05,2736.95 ; -2125,-2095 Dtransil.1@-1979.33,-2095
GND_24: BAT_GND.1 Batterie.1 Cd24VCDE.1 Chargeur.1 CORDON_GND.1 D24in.2 D24Psce.2 FdP_pwr.1 GND_T12.1 J5_24V.1 J11_24V.1 J14_24V.1 pad.0@-3205,1205 STgnd.1 TR_5V.2 | length 3386.9
  1-TOP w50: STgnd.1@-2200,1050 TR_5V.2@-2200,1140 ; v1@-530,3010 1940,2645 ; 1945,2640 2005,2580 FdP_pwr.1@2005,2495
  1-TOP w100: BAT_GND.1@-3265,1675 -3195,1605 Batterie.1@-3195,1460 -3195,1260 -3180,1245 Chargeur.1@-3015,1245
  other v1: -2515,545 -2850,1200 -345,2980 -390,2985 -435,2995 -480,3000 -525,3005
IHM_I_AM_READY: FdP.3 Rihm_ready.1 | length 209.8
  1-TOP w25: Rihm_ready.1@930,2352.09 930,2360 995,2425 FdP.3@995,2535
Net*_8: *.8 R_ledRetro3.2 R_ledRetro5.2 | length 482.6
  2-SIGNAL w40: v1@-1605,-2555 v1(-1600,-2555) -1415,-2555 -1300,-2440 *.8@-1270,-2440
  4-BOT w40: v1(-1600,-2555) R_ledRetro5.2@-1540,-2555 ; *.8@-1310,-2440 *.8@-1270,-2440
Netbiroute_1: biroute.1 RpuBir.1 RsBir.1 | length 102.9
  4-BOT w50: biroute.1@-870,-1365 RsBir.1@-767.09,-1365
  other v1: -830,-1475
NetbirouteLed_1: birouteLed.1 RledBir.1 | length 182.8
  1-TOP w25: v1(-1135,-1350) -1095,-1390 -997.09,-1390 RledBir.1@-977.09,-1370
NetBP0_2: BP0.2 BP0.4 RpuBP0.1 RsBP0.1 | length 1105
  2-SIGNAL w25: BP0.2@-1471.34,-1706.3 -1495,-1730 -1495,-1935 BP0.4@-1470,-1960 ; BP0.2@-1470,-1705 -1435,-1705 -1390,-1660 -1225,-1660 -1095,-1790 -865,-1790 v1@-815,-1740
  4-BOT w25: RsBP0.1@-805,-1767.91 RpuBP0.1@-805,-1685
  other v1: -820,-1735
NetBP0_5: BP0.5 RsLedBP0.1 | length 162.6
  4-BOT w25: BP0.5@-1670,-1832.28 -1670,-1805 -1645,-1780 RsLedBP0.1@-1545,-1780
NetBP1_2: BP1.2 BP1.4 RpuBP1.1 RsBP1.1 | length 1153.9
  4-BOT w10: -1335,-1990 -1200,-1990
  4-BOT w25: BP1.2@-1475,-2175 -1435.28,-2175 -1365,-2104.72 -1365,-2020 -1335,-1990 ; BP1.2@-1471.34,-2178.74 -1500,-2207.4 -1500,-2335 -1470,-2365 BP1.4@-1470,-2430 ; -1200,-1990 -1060,-1850 -802.09,-1850 RsBP1.1@-787.09,-1865
NetBP1_5: BP1.5 RsLedBP1.1 | length 129.5
  4-BOT w25: BP1.5@-1670,-2305 -1622.91,-2257.91 RsLedBP1.1@-1560,-2257.91
NetBP2_2: BP2.2 BP2.4 RpuBP2.1 RsBP2.1 | length 1493.4
  4-BOT w10: -1385,-2235 -1340,-2190 -1210,-2190
  4-BOT w25: BP2.4@-1470,-2900 -1500,-2870 -1500,-2740 -1470,-2710 -1470,-2515 -1445,-2490 -1435,-2490 -1385,-2440 -1385,-2235 ; -1210,-2190 -1080,-2060 RsBP2.1@-695,-2060
NetBP2_5: BP2.5 RsLedBP2.1 | length 131.6
  4-BOT w25: BP2.5@-1670,-2780 -1617.91,-2727.91 RsLedBP2.1@-1560,-2727.91
NetBP3_2: BP3.2 BP3.4 RpuBP3.1 RsBP3.1 | length 436.1
  4-BOT w25: RsBP3.1@2135,-1825 2205,-1825 2272.68,-1892.68 BP3.2@2272.68,-1920 ; 2250,-2145 2250,-1942.68 BP3.2@2272.68,-1920 ; BP3.2@2273.66,-1919.02 BP3.2@2272.68,-1920 ; BP3.2@2280,-1920 BP3.2@2272.68,-1920
NetBP3_5: BP3.5 RsLedBP3.1 | length 105.6
  4-BOT w25: RsLedBP3.1@1995,-1980 2060,-2045 BP3.5@2073.7,-2045
NetBP4_2: BP4.2 BP4.4 RpuBP4.1 RsBP4.1 | length 429.8
  4-BOT w25: RsBP4.1@2150,-2335 2190,-2335 BP4.2@2245,-2390 ; BP4.4@2273.66,-2650.98 2273.66,-2593.66 2245,-2565 BP4.2@2245,-2390 ; BP4.2@2280,-2400 2255,-2400 BP4.2@2245,-2390
NetBP4_5: BP4.5 RsLedBP4.1 | length 114.1
  4-BOT w25: BP4.5@2080,-2520 2102.09,-2497.91 RsLedBP4.1@2185,-2497.91
NetBP5_2: BP5.2 BP5.4 RpuBP5.1 RsBP5.1 | length 495.9
  4-BOT w20: RsBP5.1@2185,-3072.09 2217.09,-3072.09 2250,-3105 ; RpuBP5.1@2220,-2745 2220,-2760 2270,-2810 2270,-2885 2250,-2905 2250,-3105 ; BP5.4@2270,-3125 2250,-3105
NetBP5_5: BP5.5 RsLedBP5.1 | length 127.4
  4-BOT w25: RsLedBP5.1@1970,-3052.09 2007.91,-3052.09 2050,-3010 BP5.5@2080,-3010
NetBPc_2: BPc.2 BPc.4 RpuBPc.1 RsBPc.1 | length 358.7
  4-BOT w25: BPc.4@1820,2080 1907.09,2167.09 RsBPc.1@1940,2167.09 ; BPc.2@1820,2340 1935,2225 RsBPc.1@1935,2185
NetBPc_5: BPc.5 RsLedBPc.1 | length 124.5
  4-BOT w25: BPc.5@1630,2220 1665,2255 RsLedBPc.1@1740,2255
NetBPpm_2: BPpm.2 BPpm.4 RpuBPpm.1 RsBPpm.1 | length 441.9
  4-BOT w25: RsBPpm.1@1875,1720 1958.66,1636.34 BPpm.4@1958.66,1559.02 ; RsBPpm.1@1875,1725 1907.91,1757.91 RpuBPpm.1@1907.91,1910 ; 1910.98,1810.98 BPpm.2@1958.66,1810.98
NetBPpm_5: BPpm.5 RsLedBPpm.1 | length 116.5
  4-BOT w25: RsLedBPpm.1@1665,1630 1720,1685 BPpm.5@1758.7,1685
NetBPrfu_2: BPrfu.2 BPrfu.4 RpuBPrfu.1 RsBPrfu.1 | length 456.7
  4-BOT w25: RpuBPrfu.1@2142.09,2275 2180,2275 BPrfu.2@2280,2175 ; BPrfu.4@2270,1930 2240,1960 2240,2115 2273.66,2148.66 BPrfu.2@2273.66,2180.98
NetBPrfu_5: BPrfu.5 RsLedBPrfu.1 | length 291.2
  4-BOT w25: BPrfu.5@2073.7,2055 2110,2055 2170,1995 RsLedBPrfu.1@2170,1825
NetBPst_2: BPst.2 BPst.4 RpuBPst.1 RsBPst.1 | length 504.3
  4-BOT w25: RsBPst.1@1420,1920 1420,1925 1495,2000 1550,2000 RpuBPst.1@1630,1920 ; BPst.4@1505,1745 1637.91,1877.91 RpuBPst.1@1637.91,1915
NetBPst_5: BPst.5 RsLedBPst.1 | length 85.3
  4-BOT w25: RsLedBPst.1@1210,1882.91 1217.91,1875 1285,1875 BPst.5@1290,1880